# KiCad board Parallel.kicad_pcb (continued)
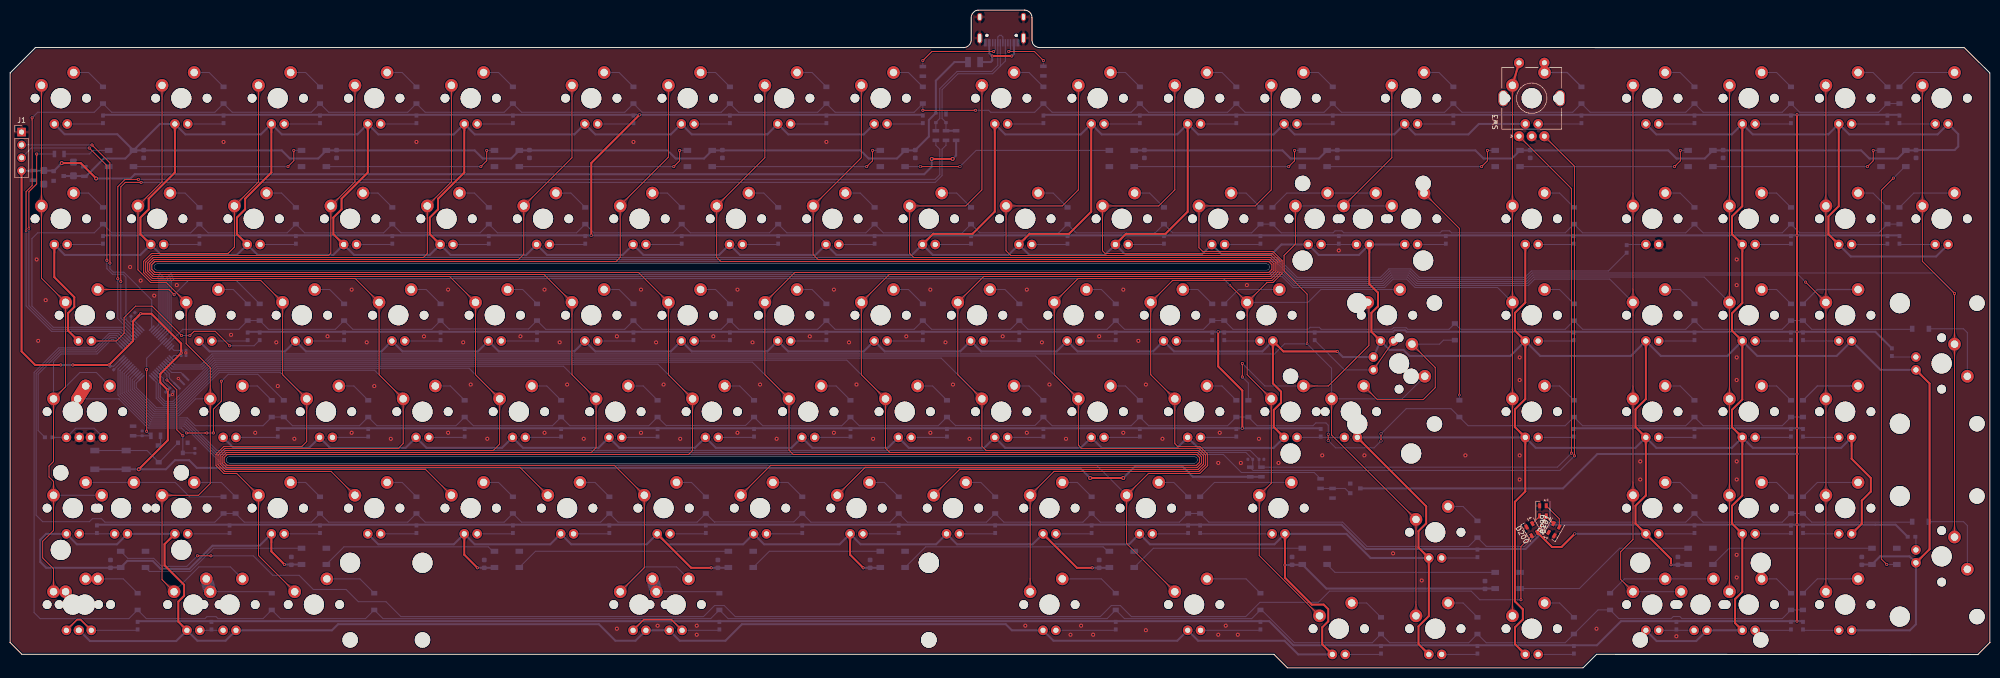
[diagram p0: board, top side]
## Copper pours and planes (outline as drawn; the poured copper is in the pictures) (continued)
+5V on Bottom: 133.98,63.43 133.51,64.56 132.22,64.91 132.56,63.62 133.7,63.15
+5V on Bottom: 131.41,63.15 132.55,63.62 132.89,64.91 131.6,64.56 131.13,63.43
+5V on Bottom: 114.93,63.43 114.46,64.56 113.17,64.91 113.51,63.62 114.65,63.15
+5V on Bottom: 112.36,63.15 113.5,63.62 113.84,64.91 112.55,64.56 112.08,63.43
+5V on Bottom: 95.88,63.43 95.41,64.56 94.12,64.91 94.46,63.62 95.6,63.15
+5V on Bottom: 93.31,63.15 94.45,63.62 94.79,64.91 93.5,64.56 93.03,63.43
+5V on Bottom: 76.83,63.43 76.36,64.56 75.07,64.91 75.41,63.62 76.55,63.15
+5V on Bottom: 74.26,63.15 75.4,63.62 75.74,64.91 74.45,64.56 73.98,63.43
+5V on Bottom: 57.78,63.43 57.31,64.56 56.02,64.91 56.36,63.62 57.5,63.15
+5V on Bottom: 254.56,83.42 255.7,82.96 256.86,83.62 255.7,84.29 254.56,83.82
+5V on Bottom: 238.76,82.48 238.28,83.61 236.99,83.96 237.34,82.67 238.47,82.2
+5V on Bottom: 273.61,83.42 274.75,82.96 275.91,83.62 274.75,84.29 273.61,83.82
+5V on Bottom: 270.26,83.82 269.13,84.29 267.97,83.62 269.13,82.96 270.26,83.42
+5V on Bottom: 267.3,82.2 268.44,82.67 268.78,83.96 267.49,83.61 267.02,82.48
+5V on Bottom: 257.81,82.48 257.33,83.61 256.04,83.96 256.39,82.67 257.52,82.2
+5V on Bottom: 236.19,82.2 237.32,82.67 237.67,83.96 236.38,83.61 235.9,82.48
+5V on Bottom: 219.71,82.48 219.23,83.61 217.94,83.96 218.29,82.67 219.42,82.2
+5V on Bottom: 217.14,82.2 218.27,82.67 218.62,83.96 217.33,83.61 216.85,82.48
+5V on Bottom: 200.66,82.48 200.18,83.61 198.89,83.96 199.24,82.67 200.37,82.2
+5V on Bottom: 198.09,82.2 199.22,82.67 199.57,83.96 198.28,83.61 197.8,82.48
+5V on Bottom: 181.61,82.48 181.13,83.61 179.84,83.96 180.19,82.67 181.32,82.2
+5V on Bottom: 179.04,82.2 180.17,82.67 180.52,83.96 179.23,83.61 178.75,82.48
+5V on Bottom: 162.56,82.48 162.08,83.61 160.79,83.96 161.14,82.67 162.27,82.2
+5V on Bottom: 159.99,82.2 161.12,82.67 161.47,83.96 160.18,83.61 159.7,82.48
+5V on Bottom: 143.51,82.48 143.03,83.61 141.74,83.96 142.09,82.67 143.22,82.2
+5V on Bottom: 140.94,82.2 142.07,82.67 142.42,83.96 141.13,83.61 140.65,82.48
+5V on Bottom: 124.46,82.48 123.98,83.61 122.69,83.96 123.04,82.67 124.17,82.2
+5V on Bottom: 121.89,82.2 123.02,82.67 123.37,83.96 122.08,83.61 121.6,82.48
+5V on Bottom: 105.41,82.48 104.93,83.61 103.64,83.96 103.99,82.67 105.12,82.2
+5V on Bottom: 102.84,82.2 103.97,82.67 104.32,83.96 103.03,83.61 102.55,82.48
+5V on Bottom: 86.36,82.48 85.88,83.61 84.59,83.96 84.94,82.67 86.07,82.2
+5V on Bottom: 83.79,82.2 84.92,82.67 85.27,83.96 83.98,83.61 83.5,82.48
+5V on Bottom: 67.31,82.48 66.83,83.61 65.54,83.96 65.89,82.67 67.02,82.2
+5V on Bottom: 64.74,82.2 65.87,82.67 66.22,83.96 64.93,83.61 64.45,82.48
+5V on Bottom: 48.26,82.48 47.78,83.61 46.49,83.96 46.84,82.67 47.97,82.2
+5V on Bottom: 29.21,82.48 28.73,83.61 27.44,83.96 27.79,82.67 28.92,82.2
+5V on Bottom: 45.69,82.2 46.82,82.67 47.17,83.96 45.88,83.61 45.4,82.48
+5V on Bottom: 274.29,106.01 275.42,106.48 275.77,107.77 274.48,107.42 274,106.29
+5V on Bottom: 253.04,106.29 252.57,107.42 251.28,107.77 251.63,106.48 252.76,106.01
+5V on Bottom: 250.47,106.01 251.61,106.48 251.95,107.77 250.66,107.42 250.19,106.29
+5V on Bottom: 233.99,106.29 233.52,107.42 232.23,107.77 232.58,106.48 233.71,106.01
+5V on Bottom: 231.42,106.01 232.56,106.48 232.9,107.77 231.61,107.42 231.14,106.29
+5V on Bottom: 214.94,106.29 214.47,107.42 213.18,107.77 213.53,106.48 214.66,106.01
+5V on Bottom: 212.37,106.01 213.51,106.48 213.85,107.77 212.56,107.42 212.09,106.29
+5V on Bottom: 195.89,106.29 195.42,107.42 194.13,107.77 194.48,106.48 195.61,106.01
+5V on Bottom: 169.51,106.01 170.65,106.48 170.99,107.77 169.7,107.42 169.23,106.29
+5V on Bottom: 153.03,106.29 152.56,107.42 151.27,107.77 151.61,106.48 152.75,106.01
+5V on Bottom: 150.46,106.01 151.6,106.48 151.94,107.77 150.65,107.42 150.18,106.29
+5V on Bottom: 133.98,106.29 133.51,107.42 132.22,107.77 132.56,106.48 133.7,106.01
+5V on Bottom: 131.41,106.01 132.55,106.48 132.89,107.77 131.6,107.42 131.13,106.29
+5V on Bottom: 114.93,106.29 114.46,107.42 113.17,107.77 113.51,106.48 114.65,106.01
+5V on Bottom: 112.36,106.01 113.5,106.48 113.84,107.77 112.55,107.42 112.08,106.29
+5V on Bottom: 91.12,106.29 90.64,107.42 89.36,107.77 89.7,106.48 90.84,106.01
+5V on Bottom: 88.55,106.01 89.68,106.48 90.03,107.77 88.74,107.42 88.27,106.29
+5V on Bottom: 72.07,106.29 71.59,107.42 70.31,107.77 70.65,106.48 71.79,106.01
+5V on Bottom: 69.5,106.01 70.63,106.48 70.98,107.77 69.69,107.42 69.22,106.29
+5V on Bottom: 53.02,106.29 52.54,107.42 51.26,107.77 51.6,106.48 52.74,106.01
+5V on Bottom: 50.45,106.01 51.58,106.48 51.93,107.77 50.64,107.42 50.17,106.29
+5V on Bottom: 33.97,106.29 33.49,107.42 32.21,107.77 32.55,106.48 33.69,106.01
GND on Top: 398.97,-12.07 -4.51,-12.07 -4.51,134.61 398.97,134.61
GND on Bottom: 398.97,-12.07 -4.51,-12.07 -4.51,134.61 398.97,134.61
VCC on Top: 2.46,96.64 2.86,97.6 2.26,98.63 1.67,97.6 2.06,96.64
VCC on Bottom: 3.83,98.41 2.87,98.8 1.84,98.21 2.87,97.61 3.83,98.01
Col0 on Top: 8.47,36.82 8.47,36.75 8.47,36.68 8.46,36.61 8.46,36.54 8.45,36.47 8.44,36.4 8.43,36.34 8.42,36.27 8.4,36.2 8.38,36.14 8.37,36.07 8.35,36.01 8.33,35.95 8.3,35.89 8.28,35.82 8.25,35.76 8.22,35.7 8.19,35.64 8.16,35.58 8.13,35.53 8.09,35.47 8.05,35.41 8.02,35.36 7.98,35.3 7.93,35.25 7.89,35.19 7.84,35.14 7.8,35.09 7.75,35.04 7.7,34.98 8.57,33.47 9.45,34.98 9.4,35.04 9.35,35.09 9.3,35.14 9.25,35.19 9.21,35.25 9.17,35.3 9.13,35.36 9.09,35.41 9.05,35.47 9.02,35.53 8.98,35.58 8.95,35.64 8.92,35.7 8.89,35.76 8.86,35.82 8.84,35.89 8.82,35.95 8.8,36.01 8.78,36.07 8.76,36.14 8.74,36.2 8.73,36.27 8.71,36.34 8.7,36.4 8.69,36.47 8.68,36.54 8.68,36.61 8.67,36.68 8.67,36.75 8.67,36.82
Col0 on Top: 8.67,50.37 8.67,50.44 8.67,50.51 8.68,50.59 8.68,50.66 8.69,50.73 8.7,50.8 8.71,50.87 8.73,50.94 8.74,51.01 8.76,51.07 8.78,51.14 8.8,51.21 8.82,51.27 8.84,51.34 8.86,51.4 8.89,51.46 8.92,51.52 8.95,51.58 8.98,51.64 9.02,51.7 9.05,51.76 9.09,51.82 9.13,51.87 9.17,51.93 9.21,51.99 9.25,52.04 9.3,52.09 9.35,52.15 9.4,52.2 9.45,52.25 8.57,53.77 7.7,52.25 7.75,52.2 7.8,52.15 7.84,52.09 7.89,52.04 7.93,51.99 7.98,51.93 8.02,51.87 8.05,51.82 8.09,51.76 8.13,51.7 8.16,51.64 8.19,51.58 8.22,51.52 8.25,51.46 8.28,51.4 8.3,51.34 8.33,51.27 8.35,51.21 8.37,51.14 8.38,51.07 8.4,51.01 8.42,50.94 8.43,50.87 8.44,50.8 8.45,50.73 8.46,50.66 8.46,50.59 8.47,50.51 8.47,50.44 8.47,50.37
Col0 on Top: 11.05,69.42 11.05,69.49 11.06,69.56 11.06,69.64 11.07,69.71 11.07,69.78 11.08,69.85 11.09,69.92 11.11,69.99 11.12,70.06 11.14,70.12 11.16,70.19 11.18,70.26 11.2,70.32 11.22,70.39 11.25,70.45 11.27,70.51 11.3,70.57 11.33,70.63 11.36,70.69 11.4,70.75 11.43,70.81 11.47,70.87 11.51,70.92 11.55,70.98 11.59,71.04 11.63,71.09 11.68,71.14 11.73,71.2 11.78,71.25 11.83,71.3 10.95,72.82 10.08,71.3 10.13,71.25 10.18,71.2 10.22,71.14 10.27,71.09 10.31,71.04 10.36,70.98 10.4,70.92 10.44,70.87 10.47,70.81 10.51,70.75 10.54,70.69 10.57,70.63 10.6,70.57 10.63,70.51 10.66,70.45 10.68,70.39 10.71,70.32 10.73,70.26 10.75,70.19 10.77,70.12 10.78,70.06 10.8,69.99 10.81,69.92 10.82,69.85 10.83,69.78 10.84,69.71 10.84,69.64 10.85,69.56 10.85,69.49 10.85,69.42
Col0 on Top: 10.46,55.18 10.41,55.12 10.36,55.07 10.3,55.02 10.25,54.98 10.19,54.93 10.13,54.89 10.08,54.85 10.02,54.81 9.96,54.77 9.9,54.74 9.84,54.7 9.78,54.67 9.72,54.64 9.66,54.61 9.6,54.58 9.53,54.56 9.47,54.53 9.41,54.51 9.34,54.49 9.27,54.47 9.21,54.46 9.14,54.44 9.07,54.43 9.01,54.42 8.94,54.41 8.87,54.4 8.8,54.4 8.73,54.39 8.66,54.39 8.58,54.39 8.13,52.7 9.82,53.15 9.82,53.23 9.82,53.3 9.83,53.37 9.83,53.44 9.84,53.51 9.85,53.58 9.86,53.64 9.87,53.71 9.89,53.78 9.9,53.85 9.92,53.91 9.94,53.98 9.96,54.04 9.99,54.1 10.01,54.17 10.04,54.23 10.07,54.29 10.1,54.35 10.13,54.41 10.16,54.47 10.2,54.53 10.24,54.59 10.28,54.65 10.32,54.7 10.36,54.76 10.41,54.82 10.45,54.87 10.5,54.93 10.55,54.98 10.6,55.03
Col0 on Top: 8.67,31.32 8.67,31.39 8.67,31.46 8.68,31.54 8.68,31.61 8.69,31.68 8.7,31.75 8.71,31.82 8.73,31.89 8.74,31.96 8.76,32.02 8.78,32.09 8.8,32.16 8.82,32.22 8.84,32.29 8.86,32.35 8.89,32.41 8.92,32.47 8.95,32.53 8.98,32.59 9.02,32.65 9.05,32.71 9.09,32.77 9.13,32.82 9.17,32.88 9.21,32.94 9.25,32.99 9.3,33.04 9.35,33.1 9.4,33.15 9.45,33.2 8.57,34.72 7.7,33.2 7.75,33.15 7.8,33.1 7.84,33.04 7.89,32.99 7.93,32.94 7.98,32.88 8.02,32.82 8.05,32.77 8.09,32.71 8.13,32.65 8.16,32.59 8.19,32.53 8.22,32.47 8.25,32.41 8.28,32.35 8.3,32.29 8.33,32.22 8.35,32.16 8.37,32.09 8.38,32.02 8.4,31.96 8.42,31.89 8.43,31.82 8.44,31.75 8.45,31.68 8.46,31.61 8.46,31.54 8.47,31.46 8.47,31.39 8.47,31.32
Col0 on Top: 8.47,17.82 8.47,17.74 8.47,17.67 8.46,17.6 8.46,17.52 8.45,17.45 8.44,17.38 8.43,17.31 8.42,17.24 8.4,17.18 8.38,17.11 8.37,17.04 8.35,16.98 8.33,16.91 8.3,16.85 8.28,16.79 8.25,16.72 8.22,16.66 8.19,16.6 8.16,16.54 8.13,16.48 8.09,16.42 8.05,16.37 8.02,16.31 7.98,16.25 7.93,16.2 7.89,16.14 7.84,16.09 7.8,16.04 7.75,15.99 7.7,15.93 8.57,14.42 9.45,15.93 9.4,15.99 9.35,16.04 9.3,16.09 9.25,16.14 9.21,16.2 9.17,16.25 9.13,16.31 9.09,16.37 9.05,16.42 9.02,16.48 8.98,16.54 8.95,16.6 8.92,16.66 8.89,16.72 8.86,16.79 8.84,16.85 8.82,16.91 8.8,16.98 8.78,17.04 8.76,17.11 8.74,17.18 8.73,17.24 8.71,17.31 8.7,17.38 8.69,17.45 8.68,17.52 8.68,17.6 8.67,17.67 8.67,17.74 8.67,17.82
Col0 on Top: 6.29,88.47 6.29,88.54 6.29,88.61 6.3,88.69 6.3,88.76 6.31,88.83 6.32,88.9 6.33,88.97 6.34,89.04 6.36,89.11 6.38,89.17 6.39,89.24 6.41,89.31 6.44,89.37 6.46,89.44 6.48,89.5 6.51,89.56 6.54,89.62 6.57,89.68 6.6,89.74 6.63,89.8 6.67,89.86 6.71,89.92 6.75,89.97 6.79,90.03 6.83,90.09 6.87,90.14 6.92,90.19 6.96,90.25 7.01,90.3 7.06,90.35 6.19,91.87 5.31,90.35 5.37,90.3 5.41,90.25 5.46,90.19 5.51,90.14 5.55,90.09 5.59,90.03 5.63,89.97 5.67,89.92 5.71,89.86 5.75,89.8 5.78,89.74 5.81,89.68 5.84,89.62 5.87,89.56 5.9,89.5 5.92,89.44 5.94,89.37 5.97,89.31 5.99,89.24 6,89.17 6.02,89.11 6.03,89.04 6.05,88.97 6.06,88.9 6.07,88.83 6.08,88.76 6.08,88.69 6.09,88.61 6.09,88.54 6.09,88.47
Col0 on Top: 8.92,74.08 8.97,74.03 9.02,73.98 9.07,73.92 9.12,73.87 9.16,73.81 9.2,73.75 9.25,73.7 9.28,73.64 9.32,73.58 9.36,73.52 9.39,73.46 9.43,73.4 9.46,73.34 9.48,73.28 9.51,73.22 9.54,73.15 9.56,73.09 9.58,73.03 9.6,72.96 9.62,72.9 9.64,72.83 9.65,72.76 9.66,72.69 9.67,72.63 9.68,72.56 9.69,72.49 9.7,72.42 9.7,72.35 9.7,72.28 9.7,72.2 11.39,71.75 10.94,73.44 10.87,73.44 10.8,73.44 10.73,73.45 10.66,73.45 10.59,73.46 10.52,73.47 10.45,73.48 10.38,73.49 10.31,73.51 10.25,73.52 10.18,73.54 10.12,73.56 10.05,73.58 9.99,73.61 9.93,73.63 9.86,73.66 9.8,73.69 9.74,73.72 9.68,73.75 9.62,73.79 9.56,73.82 9.5,73.86 9.45,73.9 9.39,73.94 9.33,73.98 9.28,74.03 9.22,74.07 9.17,74.12 9.11,74.17 9.06,74.23
Col0 on Top: 6.29,112.28 6.29,112.35 6.29,112.43 6.3,112.5 6.3,112.57 6.31,112.64 6.32,112.71 6.33,112.78 6.34,112.85 6.36,112.92 6.38,112.99 6.39,113.05 6.41,113.12 6.44,113.18 6.46,113.25 6.48,113.31 6.51,113.37 6.54,113.43 6.57,113.5 6.6,113.56 6.63,113.61 6.67,113.67 6.71,113.73 6.75,113.79 6.79,113.84 6.83,113.9 6.87,113.95 6.92,114.01 6.96,114.06 7.01,114.11 7.06,114.16 6.19,115.68 5.31,114.16 5.37,114.11 5.41,114.06 5.46,114.01 5.51,113.95 5.55,113.9 5.59,113.84 5.63,113.79 5.67,113.73 5.71,113.67 5.75,113.61 5.78,113.56 5.81,113.5 5.84,113.43 5.87,113.37 5.9,113.31 5.92,113.25 5.94,113.18 5.97,113.12 5.99,113.05 6,112.99 6.02,112.92 6.03,112.85 6.05,112.78 6.06,112.71 6.07,112.64 6.08,112.57 6.08,112.5 6.09,112.43 6.09,112.35 6.09,112.28
Col0 on Top: 6.09,94.02 6.09,93.94 6.09,93.87 6.08,93.8 6.08,93.72 6.07,93.65 6.06,93.58 6.05,93.51 6.03,93.44 6.02,93.38 6,93.31 5.99,93.24 5.97,93.18 5.94,93.11 5.92,93.05 5.9,92.99 5.87,92.92 5.84,92.86 5.81,92.8 5.78,92.74 5.75,92.68 5.71,92.62 5.67,92.57 5.63,92.51 5.59,92.45 5.55,92.4 5.51,92.34 5.46,92.29 5.41,92.24 5.37,92.19 5.31,92.13 6.19,90.62 7.06,92.13 7.01,92.19 6.96,92.24 6.92,92.29 6.87,92.34 6.83,92.4 6.79,92.45 6.75,92.51 6.71,92.57 6.67,92.62 6.63,92.68 6.6,92.74 6.57,92.8 6.54,92.86 6.51,92.92 6.48,92.99 6.46,93.05 6.44,93.11 6.41,93.18 6.39,93.24 6.38,93.31 6.36,93.38 6.34,93.44 6.33,93.51 6.32,93.58 6.31,93.65 6.3,93.72 6.3,93.8 6.29,93.87 6.29,93.94 6.29,94.02
Col0 on Bottom: 8.47,55.92 8.47,55.84 8.47,55.77 8.46,55.7 8.46,55.62 8.45,55.55 8.44,55.48 8.43,55.41 8.42,55.34 8.4,55.28 8.38,55.21 8.37,55.14 8.35,55.08 8.33,55.01 8.3,54.95 8.28,54.89 8.25,54.82 8.22,54.76 8.19,54.7 8.16,54.64 8.13,54.58 8.09,54.52 8.05,54.47 8.02,54.41 7.98,54.35 7.93,54.3 7.89,54.24 7.84,54.19 7.8,54.14 7.75,54.09 7.7,54.03 8.57,52.52 9.45,54.03 9.4,54.09 9.35,54.14 9.3,54.19 9.25,54.24 9.21,54.3 9.17,54.35 9.13,54.41 9.09,54.47 9.05,54.52 9.02,54.58 8.98,54.64 8.95,54.7 8.92,54.76 8.89,54.82 8.86,54.89 8.84,54.95 8.82,55.01 8.8,55.08 8.78,55.14 8.76,55.21 8.74,55.28 8.73,55.34 8.71,55.41 8.7,55.48 8.69,55.55 8.68,55.62 8.68,55.7 8.67,55.77 8.67,55.84 8.67,55.92
Col0 on Bottom: 17.65,57.57 17.7,57.52 17.75,57.47 17.8,57.41 17.85,57.36 17.89,57.3 17.94,57.24 17.98,57.19 18.02,57.13 18.05,57.07 18.09,57.01 18.12,56.95 18.16,56.89 18.19,56.83 18.22,56.77 18.24,56.71 18.27,56.64 18.29,56.58 18.31,56.52 18.33,56.45 18.35,56.39 18.37,56.32 18.38,56.25 18.39,56.18 18.41,56.12 18.41,56.05 18.42,55.98 18.43,55.91 18.43,55.84 18.43,55.77 18.43,55.69 20.13,55.24 19.67,56.93 19.6,56.93 19.53,56.93 19.46,56.94 19.39,56.94 19.32,56.95 19.25,56.96 19.18,56.97 19.11,56.98 19.05,57 18.98,57.01 18.91,57.03 18.85,57.05 18.79,57.07 18.72,57.1 18.66,57.12 18.6,57.15 18.53,57.18 18.47,57.21 18.41,57.24 18.35,57.28 18.29,57.31 18.24,57.35 18.18,57.39 18.12,57.43 18.06,57.47 18.01,57.52 17.95,57.56 17.9,57.61 17.84,57.66 17.79,57.72
Col0 on Bottom: 10.46,55.18 10.41,55.12 10.36,55.07 10.3,55.02 10.25,54.98 10.19,54.93 10.13,54.89 10.08,54.85 10.02,54.81 9.96,54.77 9.9,54.74 9.84,54.7 9.78,54.67 9.72,54.64 9.66,54.61 9.6,54.58 9.53,54.56 9.47,54.53 9.41,54.51 9.34,54.49 9.27,54.47 9.21,54.46 9.14,54.44 9.07,54.43 9.01,54.42 8.94,54.41 8.87,54.4 8.8,54.4 8.73,54.39 8.66,54.39 8.58,54.39 8.13,52.7 9.82,53.15 9.82,53.23 9.82,53.3 9.83,53.37 9.83,53.44 9.84,53.51 9.85,53.58 9.86,53.64 9.87,53.71 9.89,53.78 9.9,53.85 9.92,53.91 9.94,53.98 9.96,54.04 9.99,54.1 10.01,54.17 10.04,54.23 10.07,54.29 10.1,54.35 10.13,54.41 10.16,54.47 10.2,54.53 10.24,54.59 10.28,54.65 10.32,54.7 10.36,54.76 10.41,54.82 10.45,54.87 10.5,54.93 10.55,54.98 10.6,55.03
Col0 on Bottom: 15.32,33.99 15.39,33.99 15.47,33.99 15.54,33.98 15.61,33.98 15.68,33.97 15.75,33.96 15.82,33.95 15.89,33.94 15.96,33.92 16.03,33.91 16.09,33.89 16.16,33.87 16.23,33.85 16.29,33.82 16.35,33.8 16.42,33.77 16.48,33.74 16.54,33.71 16.6,33.68 16.66,33.65 16.71,33.61 16.77,33.57 16.83,33.54 16.88,33.5 16.94,33.45 16.99,33.41 17.05,33.36 17.1,33.32 17.15,33.27 17.2,33.22 18.72,34.09 17.2,34.97 17.15,34.92 17.1,34.87 17.05,34.82 16.99,34.77 16.94,34.73 16.88,34.69 16.83,34.65 16.77,34.61 16.71,34.57 16.66,34.54 16.6,34.5 16.54,34.47 16.48,34.44 16.42,34.41 16.35,34.39 16.29,34.36 16.23,34.34 16.16,34.32 16.09,34.3 16.03,34.28 15.96,34.26 15.89,34.25 15.82,34.23 15.75,34.22 15.68,34.21 15.61,34.21 15.54,34.2 15.47,34.2 15.39,34.19 15.32,34.19
Col0 on Bottom: 11.35,34.19 11.27,34.19 11.2,34.2 11.13,34.2 11.05,34.21 10.98,34.21 10.91,34.22 10.84,34.23 10.77,34.25 10.71,34.26 10.64,34.28 10.57,34.3 10.51,34.32 10.44,34.34 10.38,34.36 10.31,34.39 10.25,34.41 10.19,34.44 10.13,34.47 10.07,34.5 10.01,34.54 9.95,34.57 9.89,34.61 9.84,34.65 9.78,34.69 9.73,34.73 9.67,34.77 9.62,34.82 9.57,34.87 9.51,34.92 9.46,34.97 7.95,34.09 9.46,33.22 9.51,33.27 9.57,33.32 9.62,33.36 9.67,33.41 9.73,33.45 9.78,33.5 9.84,33.54 9.89,33.57 9.95,33.61 10.01,33.65 10.07,33.68 10.13,33.71 10.19,33.74 10.25,33.77 10.31,33.8 10.38,33.82 10.44,33.85 10.51,33.87 10.57,33.89 10.64,33.91 10.71,33.92 10.77,33.94 10.84,33.95 10.91,33.96 10.98,33.97 11.05,33.98 11.13,33.98 11.2,33.99 11.27,33.99 11.35,33.99
Col1 on Top: 30.1,31.32 30.1,31.39 30.11,31.46 30.11,31.54 30.12,31.61 30.12,31.68 30.13,31.75 30.14,31.82 30.16,31.89 30.17,31.96 30.19,32.02 30.21,32.09 30.23,32.16 30.25,32.22 30.27,32.29 30.3,32.35 30.32,32.41 30.35,32.47 30.38,32.53 30.41,32.59 30.45,32.65 30.48,32.71 30.52,32.77 30.56,32.82 30.6,32.88 30.64,32.94 30.68,32.99 30.73,33.04 30.78,33.1 30.83,33.15 30.88,33.2 30,34.72 29.13,33.2 29.18,33.15 29.23,33.1 29.27,33.04 29.32,32.99 29.36,32.94 29.41,32.88 29.45,32.82 29.49,32.77 29.52,32.71 29.56,32.65 29.59,32.59 29.62,32.53 29.65,32.47 29.68,32.41 29.71,32.35 29.73,32.29 29.76,32.22 29.78,32.16 29.8,32.09 29.82,32.02 29.83,31.96 29.85,31.89 29.86,31.82 29.87,31.75 29.88,31.68 29.89,31.61 29.89,31.54 29.9,31.46 29.9,31.39 29.9,31.32
Col1 on Top: 30.35,16.93 30.4,16.88 30.45,16.83 30.5,16.77 30.55,16.72 30.59,16.66 30.64,16.6 30.68,16.55 30.72,16.49 30.75,16.43 30.79,16.37 30.82,16.31 30.86,16.25 30.89,16.19 30.92,16.13 30.94,16.07 30.97,16 30.99,15.94 31.01,15.88 31.03,15.81 31.05,15.75 31.07,15.68 31.08,15.61 31.09,15.54 31.11,15.48 31.11,15.41 31.12,15.34 31.13,15.27 31.13,15.2 31.13,15.13 31.13,15.05 32.83,14.6 32.37,16.29 32.3,16.29 32.23,16.29 32.16,16.3 32.09,16.3 32.02,16.31 31.95,16.32 31.88,16.33 31.81,16.34 31.75,16.36 31.68,16.37 31.61,16.39 31.55,16.41 31.49,16.43 31.42,16.46 31.36,16.48 31.3,16.51 31.23,16.54 31.17,16.57 31.11,16.6 31.05,16.64 30.99,16.67 30.94,16.71 30.88,16.75 30.82,16.79 30.76,16.83 30.71,16.88 30.65,16.92 30.6,16.97 30.54,17.02 30.49,17.08
Col1 on Top: 39.43,55.92 39.43,55.84 39.42,55.77 39.42,55.7 39.41,55.62 39.41,55.55 39.4,55.48 39.39,55.41 39.37,55.34 39.36,55.28 39.34,55.21 39.32,55.14 39.3,55.08 39.28,55.01 39.26,54.95 39.23,54.89 39.21,54.82 39.18,54.76 39.15,54.7 39.12,54.64 39.08,54.58 39.05,54.52 39.01,54.47 38.97,54.41 38.93,54.35 38.89,54.3 38.85,54.24 38.8,54.19 38.75,54.14 38.7,54.09 38.65,54.03 39.53,52.52 40.4,54.03 40.35,54.09 40.3,54.14 40.25,54.19 40.21,54.24 40.17,54.3 40.12,54.35 40.08,54.41 40.04,54.47 40.01,54.52 39.97,54.58 39.94,54.64 39.91,54.7 39.88,54.76 39.85,54.82 39.82,54.89 39.8,54.95 39.77,55.01 39.75,55.08 39.73,55.14 39.71,55.21 39.7,55.28 39.68,55.34 39.67,55.41 39.66,55.48 39.65,55.55 39.64,55.62 39.63,55.7 39.63,55.77 39.63,55.84 39.63,55.92
Col1 on Top: 34.86,69.42 34.87,69.49 34.87,69.56 34.87,69.64 34.88,69.71 34.89,69.78 34.9,69.85 34.91,69.92 34.92,69.99 34.93,70.06 34.95,70.12 34.97,70.19 34.99,70.26 35.01,70.32 35.03,70.39 35.06,70.45 35.09,70.51 35.11,70.57 35.14,70.63 35.18,70.69 35.21,70.75 35.24,70.81 35.28,70.87 35.32,70.92 35.36,70.98 35.4,71.04 35.45,71.09 35.49,71.14 35.54,71.2 35.59,71.25 35.64,71.3 34.76,72.82 33.89,71.3 33.94,71.25 33.99,71.2 34.04,71.14 34.08,71.09 34.13,71.04 34.17,70.98 34.21,70.92 34.25,70.87 34.28,70.81 34.32,70.75 34.35,70.69 34.39,70.63 34.42,70.57 34.44,70.51 34.47,70.45 34.5,70.39 34.52,70.32 34.54,70.26 34.56,70.19 34.58,70.12 34.59,70.06 34.61,69.99 34.62,69.92 34.63,69.85 34.64,69.78 34.65,69.71 34.66,69.64 34.66,69.56 34.66,69.49 34.66,69.42
Col1 on Top: 32.78,34.19 32.7,34.19 32.63,34.2 32.56,34.2 32.49,34.21 32.41,34.21 32.34,34.22 32.27,34.23 32.21,34.25 32.14,34.26 32.07,34.28 32,34.3 31.94,34.32 31.87,34.34 31.81,34.36 31.75,34.39 31.68,34.41 31.62,34.44 31.56,34.47 31.5,34.5 31.44,34.54 31.38,34.57 31.33,34.61 31.27,34.65 31.21,34.69 31.16,34.73 31.1,34.77 31.05,34.82 31,34.87 30.95,34.92 30.9,34.97 29.38,34.09 30.9,33.22 30.95,33.27 31,33.32 31.05,33.36 31.1,33.41 31.16,33.45 31.21,33.5 31.27,33.54 31.33,33.57 31.38,33.61 31.44,33.65 31.5,33.68 31.56,33.71 31.62,33.74 31.68,33.77 31.75,33.8 31.81,33.82 31.87,33.85 31.94,33.87 32,33.89 32.07,33.91 32.14,33.92 32.21,33.94 32.27,33.95 32.34,33.96 32.41,33.97 32.49,33.98 32.56,33.98 32.63,33.99 32.7,33.99 32.78,33.99
Col1 on Top: 39.63,50.37 39.63,50.44 39.63,50.51 39.63,50.59 39.64,50.66 39.65,50.73 39.66,50.8 39.67,50.87 39.68,50.94 39.7,51.01 39.71,51.07 39.73,51.14 39.75,51.21 39.77,51.27 39.8,51.34 39.82,51.4 39.85,51.46 39.88,51.52 39.91,51.58 39.94,51.64 39.97,51.7 40.01,51.76 40.04,51.82 40.08,51.87 40.12,51.93 40.17,51.99 40.21,52.04 40.25,52.09 40.3,52.15 40.35,52.2 40.4,52.25 39.53,53.77 38.65,52.25 38.7,52.2 38.75,52.15 38.8,52.09 38.85,52.04 38.89,51.99 38.93,51.93 38.97,51.87 39.01,51.82 39.05,51.76 39.08,51.7 39.12,51.64 39.15,51.58 39.18,51.52 39.21,51.46 39.23,51.4 39.26,51.34 39.28,51.27 39.3,51.21 39.32,51.14 39.34,51.07 39.36,51.01 39.37,50.94 39.39,50.87 39.4,50.8 39.41,50.73 39.41,50.66 39.42,50.59 39.42,50.51 39.43,50.44 39.43,50.37
Col1 on Top: 25.34,88.47 25.34,88.54 25.34,88.61 25.35,88.69 25.35,88.76 25.36,88.83 25.37,88.9 25.38,88.97 25.39,89.04 25.41,89.11 25.43,89.17 25.44,89.24 25.46,89.31 25.49,89.37 25.51,89.44 25.53,89.5 25.56,89.56 25.59,89.62 25.62,89.68 25.65,89.74 25.68,89.8 25.72,89.86 25.76,89.92 25.8,89.97 25.84,90.03 25.88,90.09 25.92,90.14 25.97,90.19 26.01,90.25 26.06,90.3 26.11,90.35 25.24,91.87 24.36,90.35 24.42,90.3 24.46,90.25 24.51,90.19 24.56,90.14 24.6,90.09 24.64,90.03 24.68,89.97 24.72,89.92 24.76,89.86 24.8,89.8 24.83,89.74 24.86,89.68 24.89,89.62 24.92,89.56 24.95,89.5 24.97,89.44 24.99,89.37 25.02,89.31 25.04,89.24 25.05,89.17 25.07,89.11 25.08,89.04 25.1,88.97 25.11,88.9 25.12,88.83 25.13,88.76 25.13,88.69 25.14,88.61 25.14,88.54 25.14,88.47
Col1 on Top: 32.73,74.08 32.78,74.03 32.83,73.98 32.88,73.92 32.93,73.87 32.97,73.81 33.02,73.75 33.06,73.7 33.1,73.64 33.14,73.58 33.17,73.52 33.21,73.46 33.24,73.4 33.27,73.34 33.3,73.28 33.32,73.22 33.35,73.15 33.37,73.09 33.39,73.03 33.41,72.96 33.43,72.9 33.45,72.83 33.46,72.76 33.48,72.69 33.49,72.63 33.5,72.56 33.5,72.49 33.51,72.42 33.51,72.35 33.51,72.28 33.51,72.2 35.21,71.75 34.75,73.44 34.68,73.44 34.61,73.44 34.54,73.45 34.47,73.45 34.4,73.46 34.33,73.47 34.26,73.48 34.19,73.49 34.13,73.51 34.06,73.52 34,73.54 33.93,73.56 33.87,73.58 33.8,73.61 33.74,73.63 33.68,73.66 33.62,73.69 33.55,73.72 33.49,73.75 33.43,73.79 33.38,73.82 33.32,73.86 33.26,73.9 33.2,73.94 33.15,73.98 33.09,74.03 33.03,74.07 32.98,74.12 32.93,74.17 32.87,74.23
Col1 on Top: 30.1,112.28 30.1,112.35 30.11,112.43 30.11,112.5 30.12,112.57 30.12,112.64 30.13,112.71 30.14,112.78 30.16,112.85 30.17,112.92 30.19,112.99 30.21,113.05 30.23,113.12 30.25,113.18 30.27,113.25 30.3,113.31 30.32,113.37 30.35,113.43 30.38,113.5 30.41,113.56 30.45,113.61 30.48,113.67 30.52,113.73 30.56,113.79 30.6,113.84 30.64,113.9 30.68,113.95 30.73,114.01 30.78,114.06 30.83,114.11 30.88,114.16 30,115.68 29.13,114.16 29.18,114.11 29.23,114.06 29.27,114.01 29.32,113.95 29.36,113.9 29.41,113.84 29.45,113.79 29.49,113.73 29.52,113.67 29.56,113.61 29.59,113.56 29.62,113.5 29.65,113.43 29.68,113.37 29.71,113.31 29.73,113.25 29.76,113.18 29.78,113.12 29.8,113.05 29.82,112.99 29.83,112.92 29.85,112.85 29.86,112.78 29.87,112.71 29.88,112.64 29.89,112.57 29.89,112.5 29.9,112.43 29.9,112.35 29.9,112.28
Col1 on Top: 27.13,93.28 27.08,93.22 27.02,93.17 26.97,93.12 26.92,93.08 26.86,93.03 26.8,92.99 26.75,92.95 26.69,92.91 26.63,92.87 26.57,92.84 26.51,92.8 26.45,92.77 26.39,92.74 26.33,92.71 26.26,92.68 26.2,92.66 26.14,92.63 26.07,92.61 26.01,92.59 25.94,92.57 25.88,92.56 25.81,92.54 25.74,92.53 25.67,92.52 25.61,92.51 25.54,92.5 25.47,92.5 25.4,92.49 25.32,92.49 25.25,92.49 24.8,90.8 26.49,91.25 26.49,91.33 26.49,91.4 26.5,91.47 26.5,91.54 26.51,91.61 26.52,91.68 26.53,91.74 26.54,91.81 26.56,91.88 26.57,91.95 26.59,92.01 26.61,92.08 26.63,92.14 26.66,92.2 26.68,92.27 26.71,92.33 26.74,92.39 26.77,92.45 26.8,92.51 26.83,92.57 26.87,92.63 26.91,92.69 26.95,92.75 26.99,92.8 27.03,92.86 27.08,92.92 27.12,92.97 27.17,93.03 27.22,93.08 27.27,93.13
Col1 on Bottom: 43.84,19.47 43.9,19.42 43.95,19.37 43.99,19.31 44.04,19.26 44.09,19.2 44.13,19.14 44.17,19.09 44.21,19.03 44.25,18.97 44.28,18.91 44.32,18.85 44.35,18.79 44.38,18.73 44.41,18.67 44.44,18.61 44.46,18.54 44.49,18.48 44.51,18.42 44.53,18.35 44.55,18.29 44.56,18.22 44.58,18.15 44.59,18.08 44.6,18.02 44.61,17.95 44.62,17.88 44.62,17.81 44.63,17.74 44.63,17.67 44.63,17.59 46.32,17.14 45.86,18.83 45.79,18.83 45.72,18.83 45.65,18.84 45.58,18.84 45.51,18.85 45.44,18.86 45.37,18.87 45.31,18.88 45.24,18.9 45.17,18.91 45.11,18.93 45.04,18.95 44.98,18.97 44.92,19 44.85,19.02 44.79,19.05 44.73,19.08 44.67,19.11 44.61,19.14 44.55,19.18 44.49,19.21 44.43,19.25 44.37,19.29 44.31,19.33 44.26,19.37 44.2,19.42 44.15,19.46 44.09,19.51 44.04,19.56 43.98,19.62
Col1 on Bottom: 34.28,17.08 34.22,17.02 34.17,16.97 34.11,16.92 34.06,16.88 34,16.83 33.95,16.79 33.89,16.75 33.83,16.71 33.77,16.67 33.71,16.64 33.65,16.6 33.59,16.57 33.53,16.54 33.47,16.51 33.41,16.48 33.35,16.46 33.28,16.43 33.22,16.41 33.15,16.39 33.09,16.37 33.02,16.36 32.95,16.34 32.89,16.33 32.82,16.32 32.75,16.31 32.68,16.3 32.61,16.3 32.54,16.29 32.47,16.29 32.4,16.29 31.94,14.6 33.63,15.05 33.63,15.13 33.64,15.2 33.64,15.27 33.64,15.34 33.65,15.41 33.66,15.48 33.67,15.54 33.69,15.61 33.7,15.68 33.72,15.75 33.73,15.81 33.75,15.88 33.78,15.94 33.8,16 33.82,16.07 33.85,16.13 33.88,16.19 33.91,16.25 33.94,16.31 33.98,16.37 34.01,16.43 34.05,16.49 34.09,16.55 34.13,16.6 34.17,16.66 34.22,16.72 34.27,16.77 34.32,16.83 34.37,16.88 34.42,16.93